# Altium PCB AI_Pyramid_PCB_HDMI_V0.3_20251031.PcbDoc (part 1 of 2)
Units mil, origin at the board's own origin, x right, y up, seen from the top; angles counter-clockwise.
Board outline 2598.43 x 2224.41 mil, 4 copper layers (Top Layer, Layer 2, Layer 1, Bottom Layer), stack 55.118 mil thick; 67 components, 74 nets, 345 pads, 587 vias.
Unrouted connection lines stored in the file: 22.
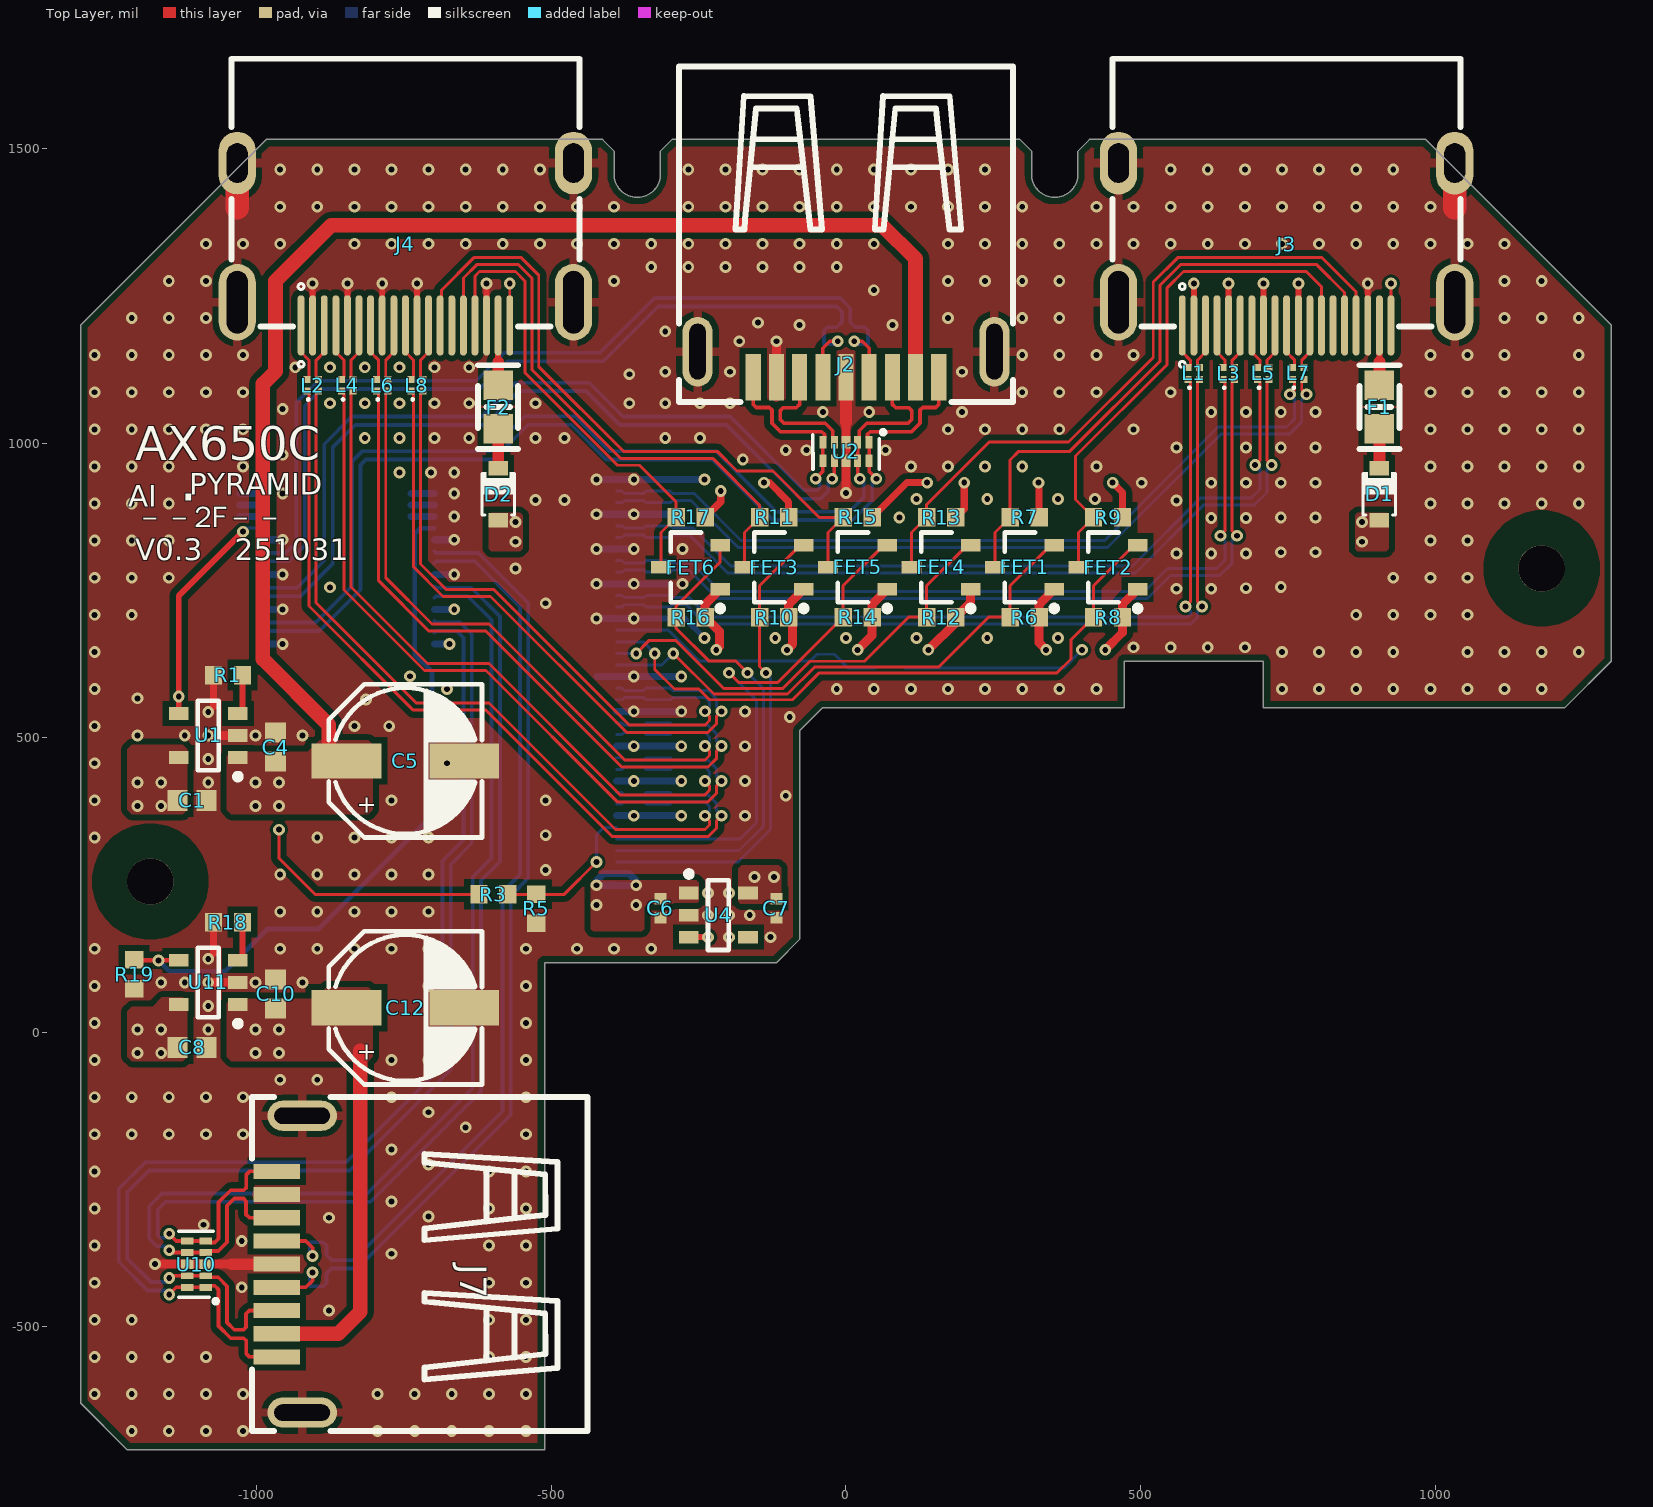
[diagram p0: Top Layer view]
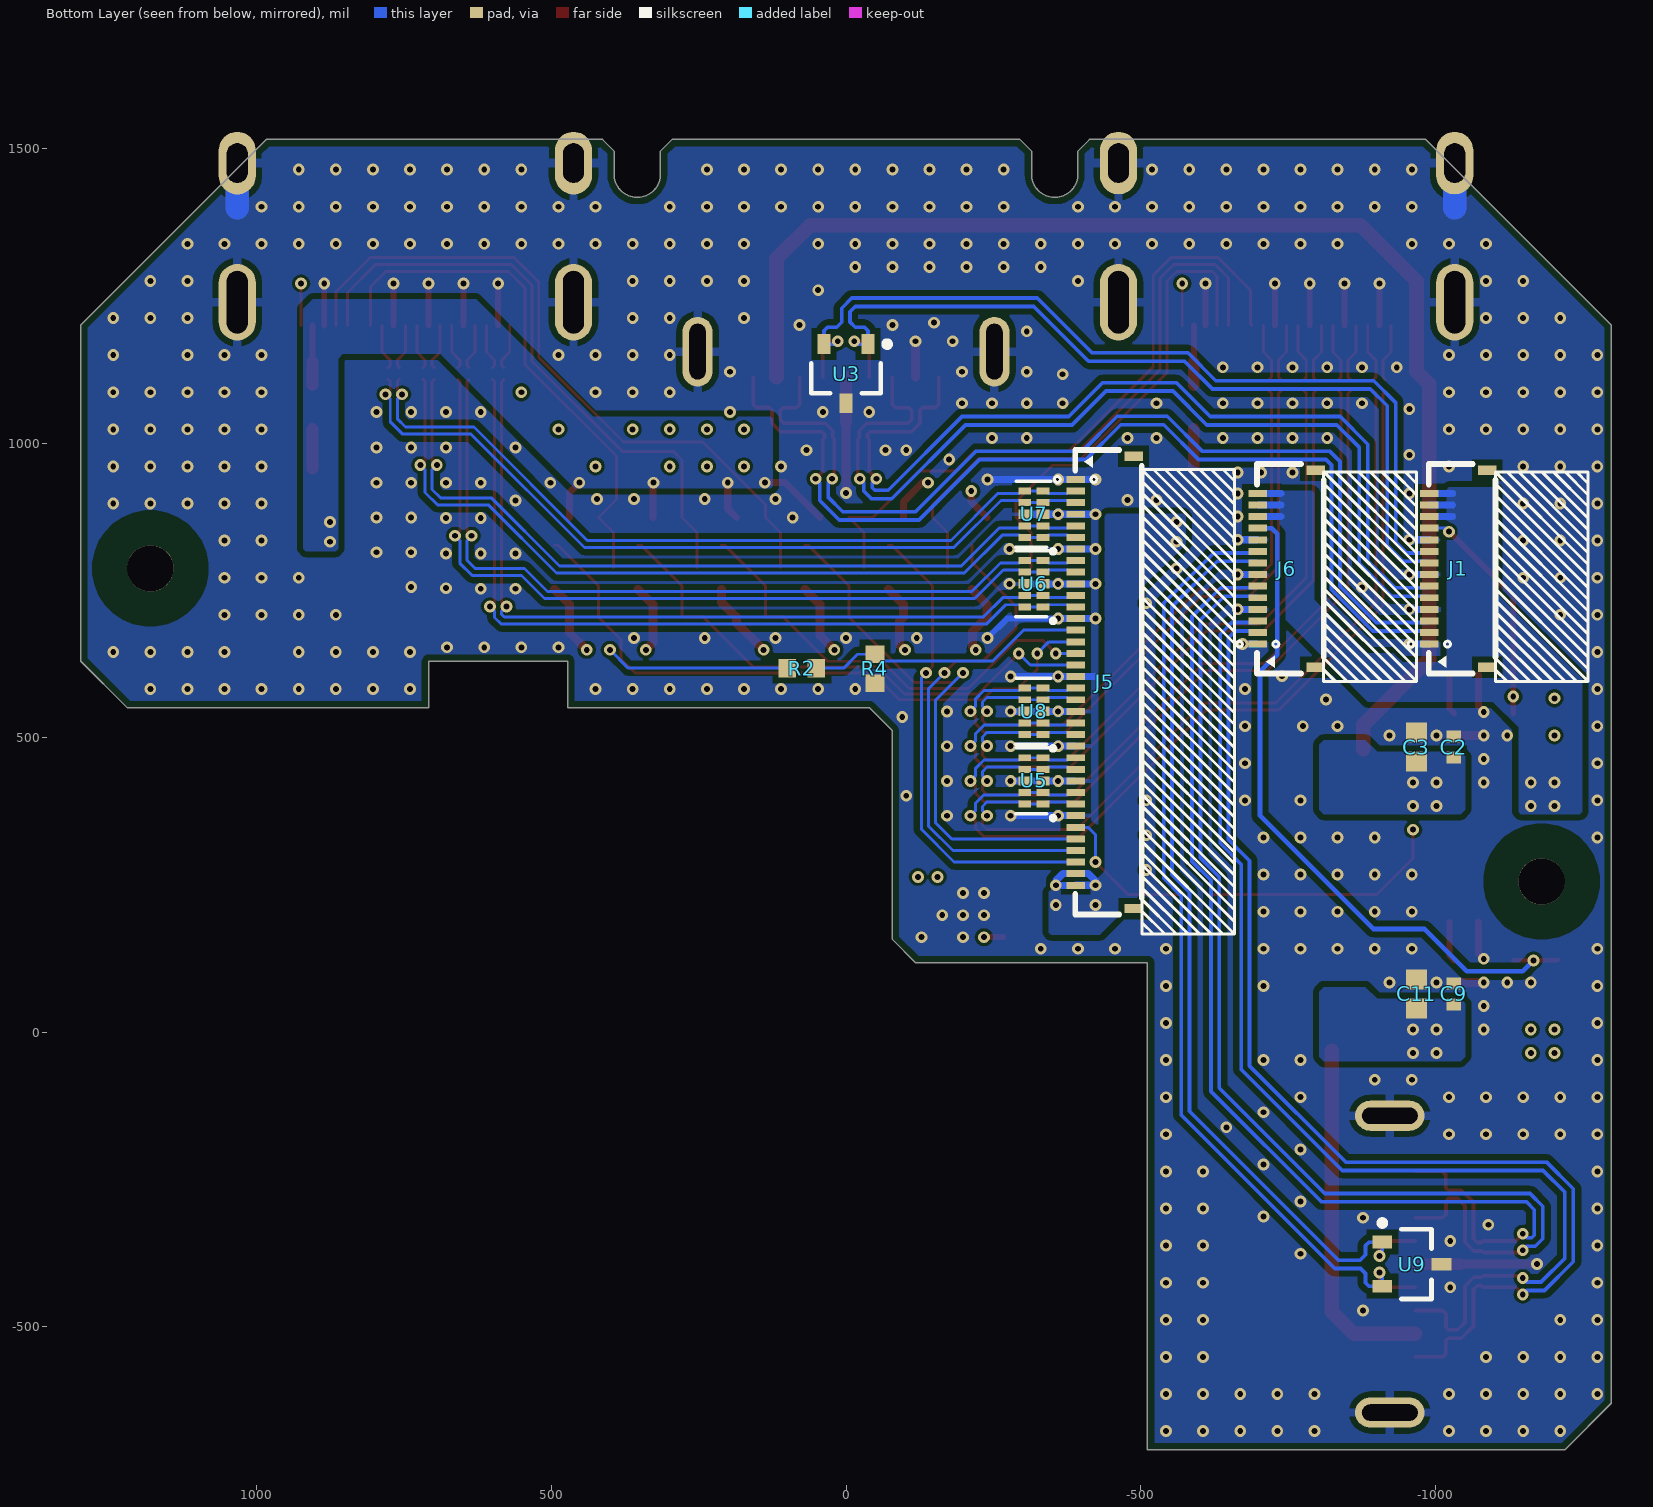
[diagram p1: Bottom Layer view, seen from below]
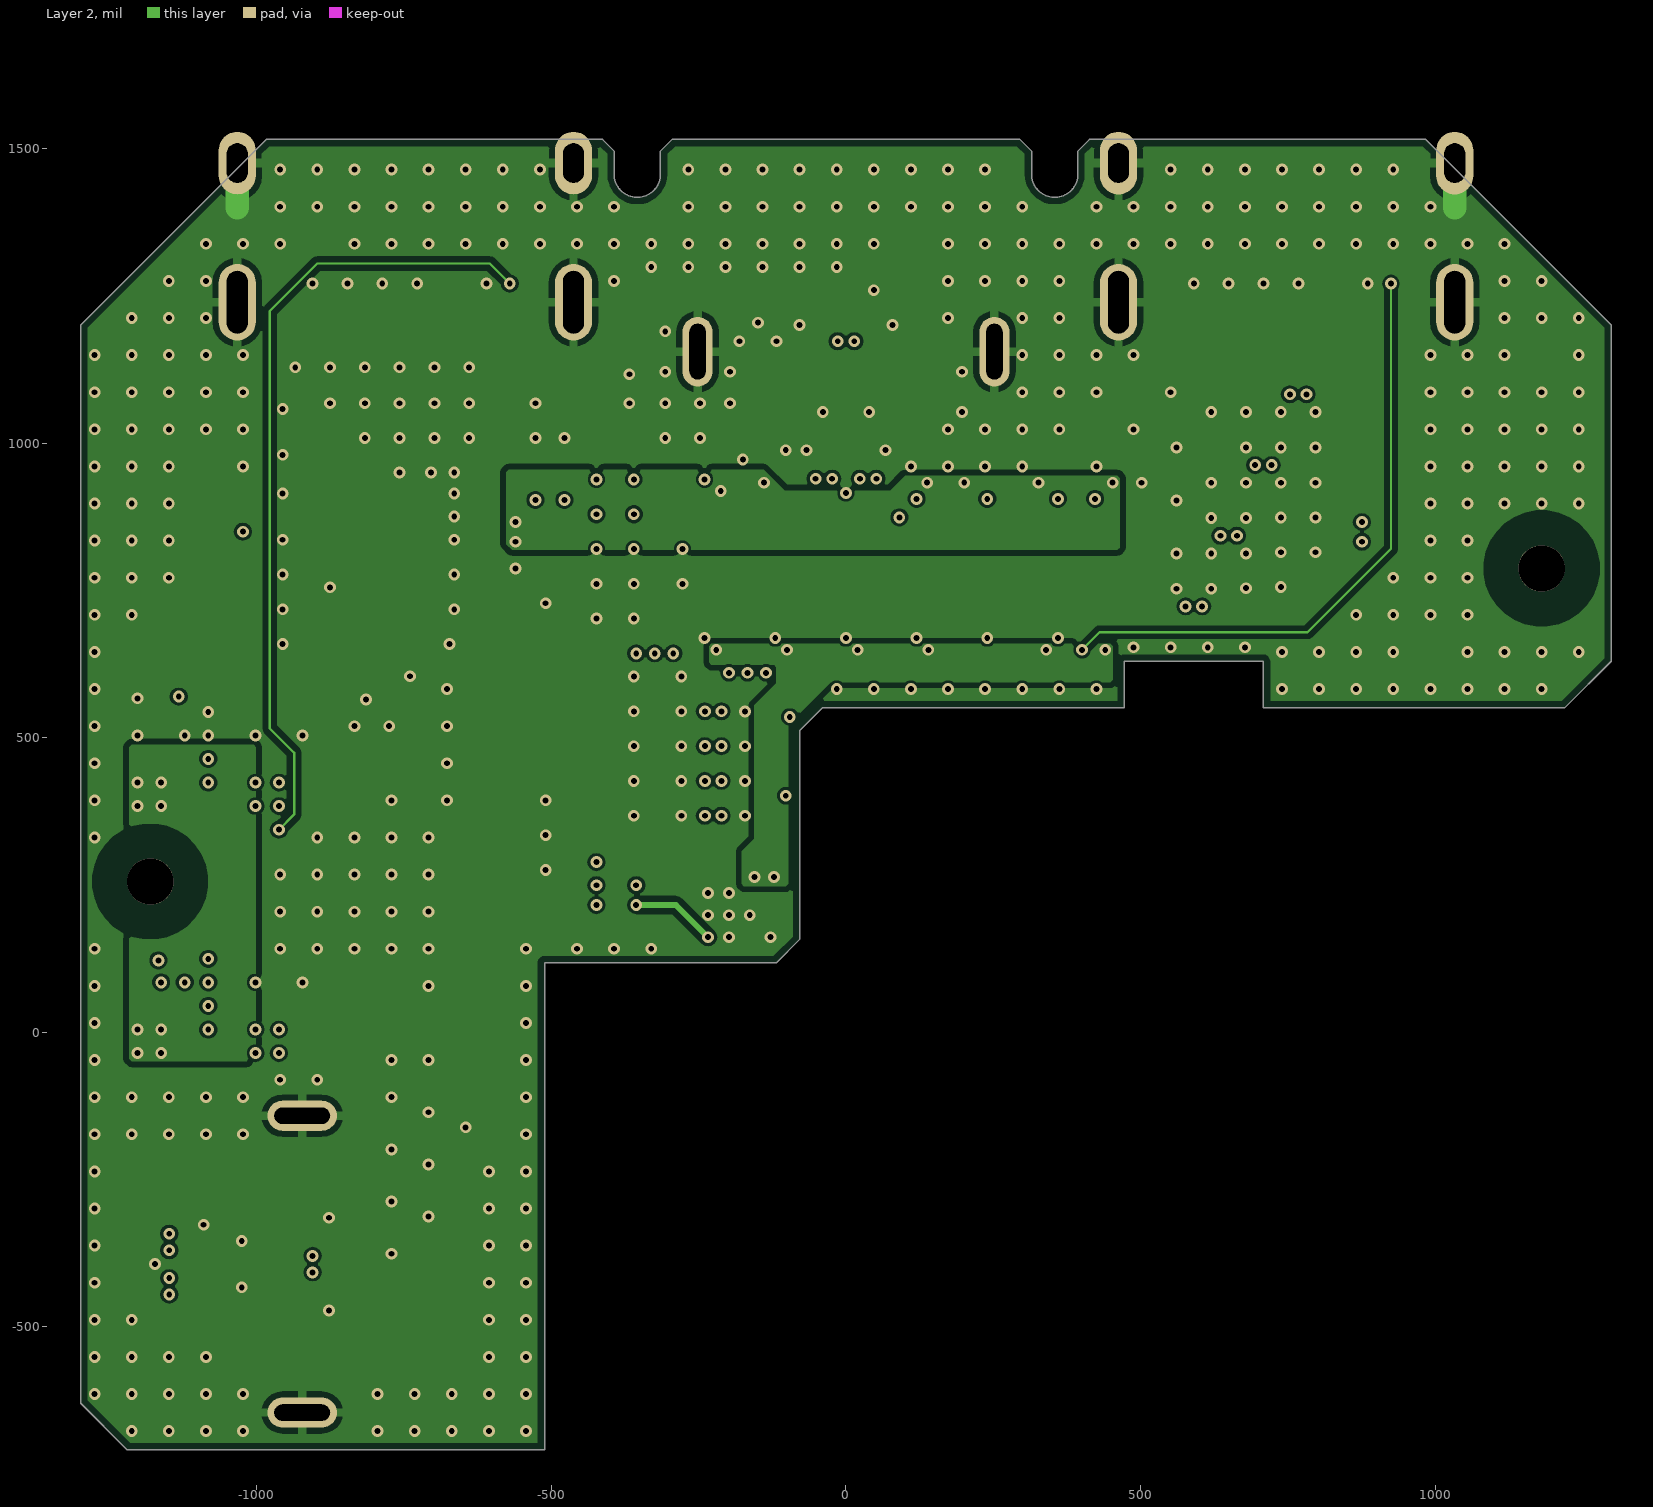
[diagram p2: Layer 2]
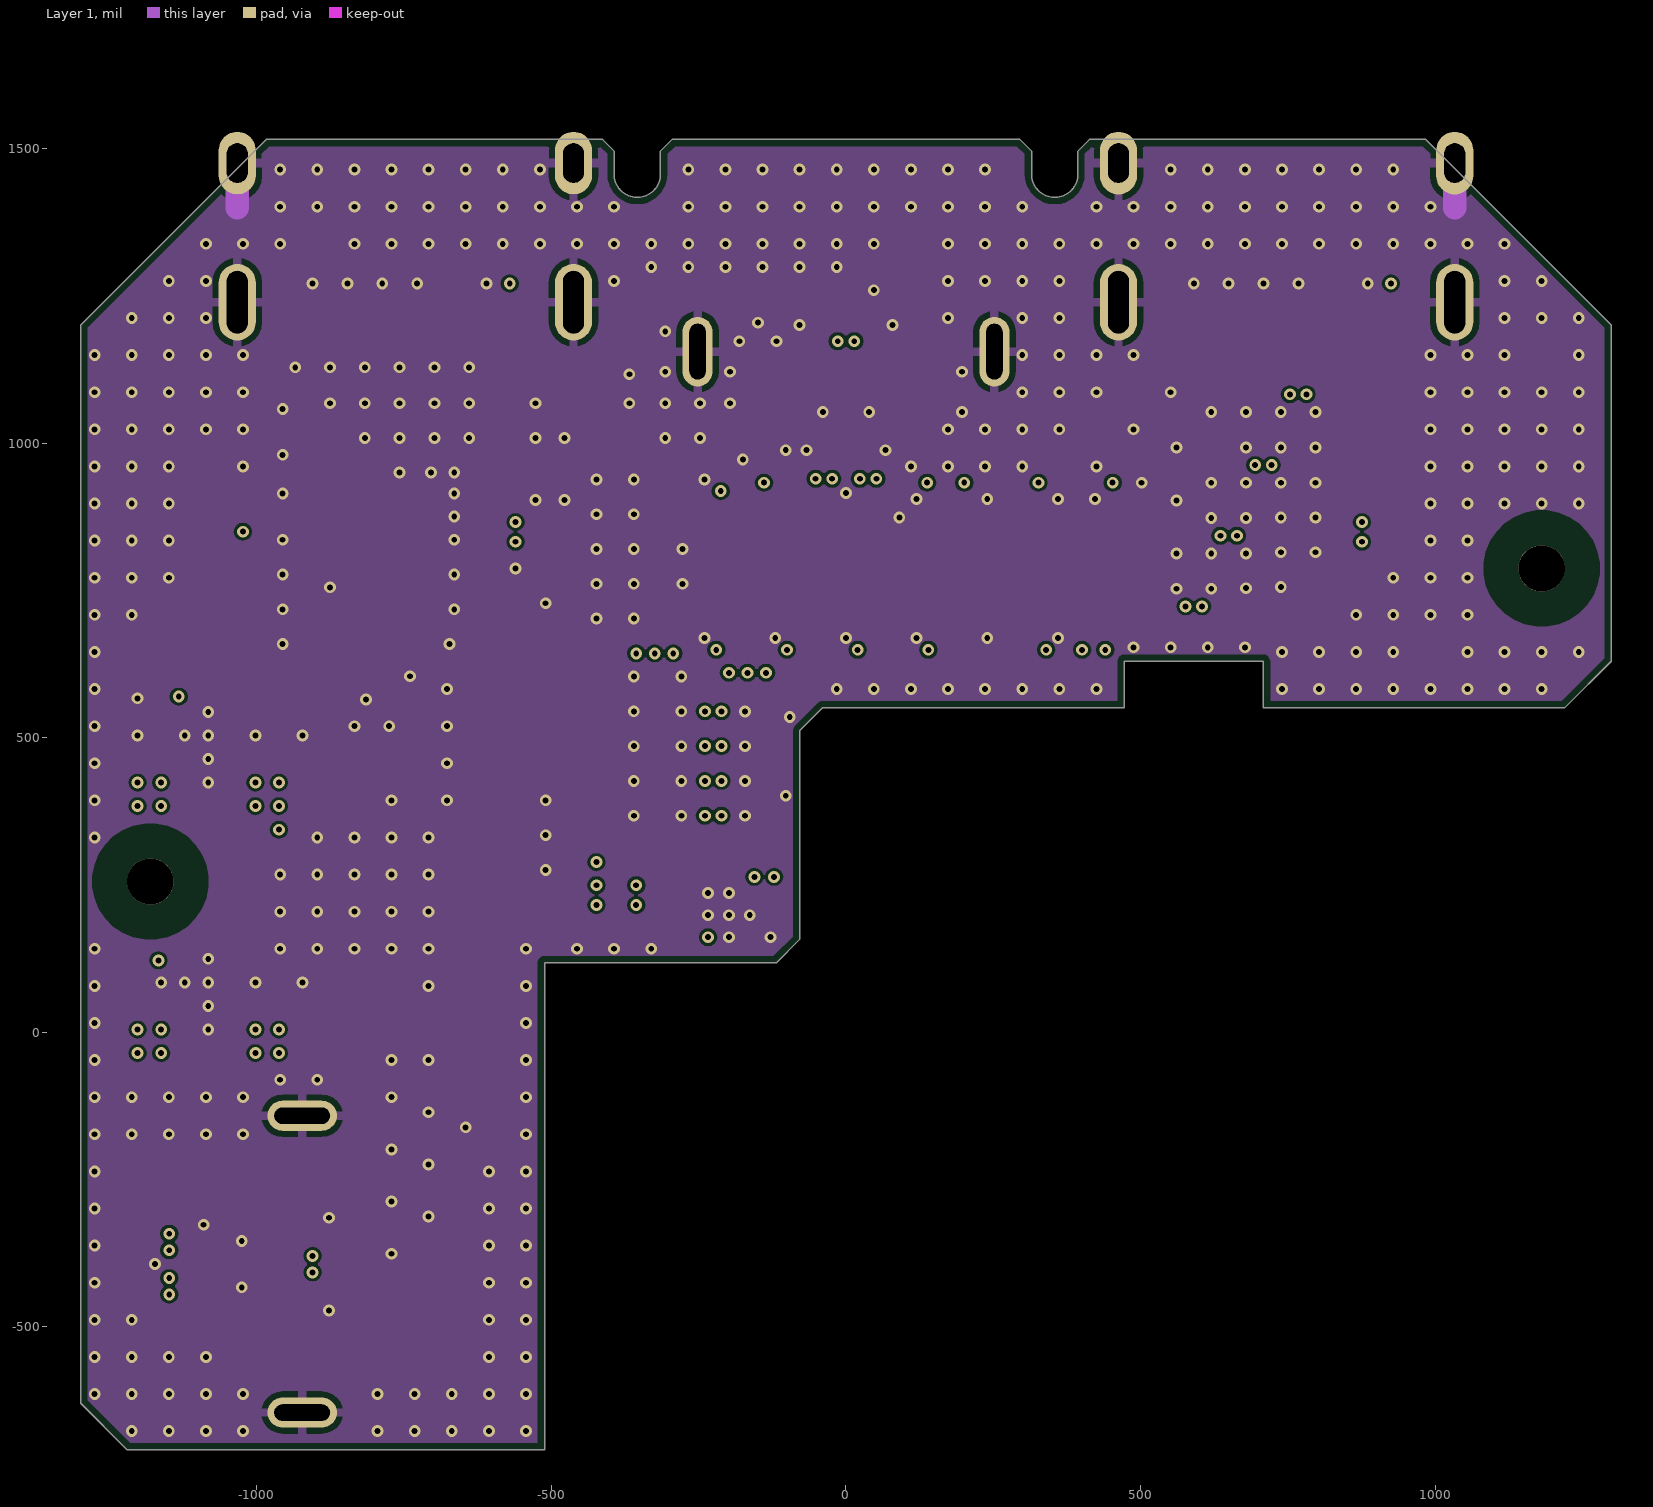
[diagram p3: Layer 1]
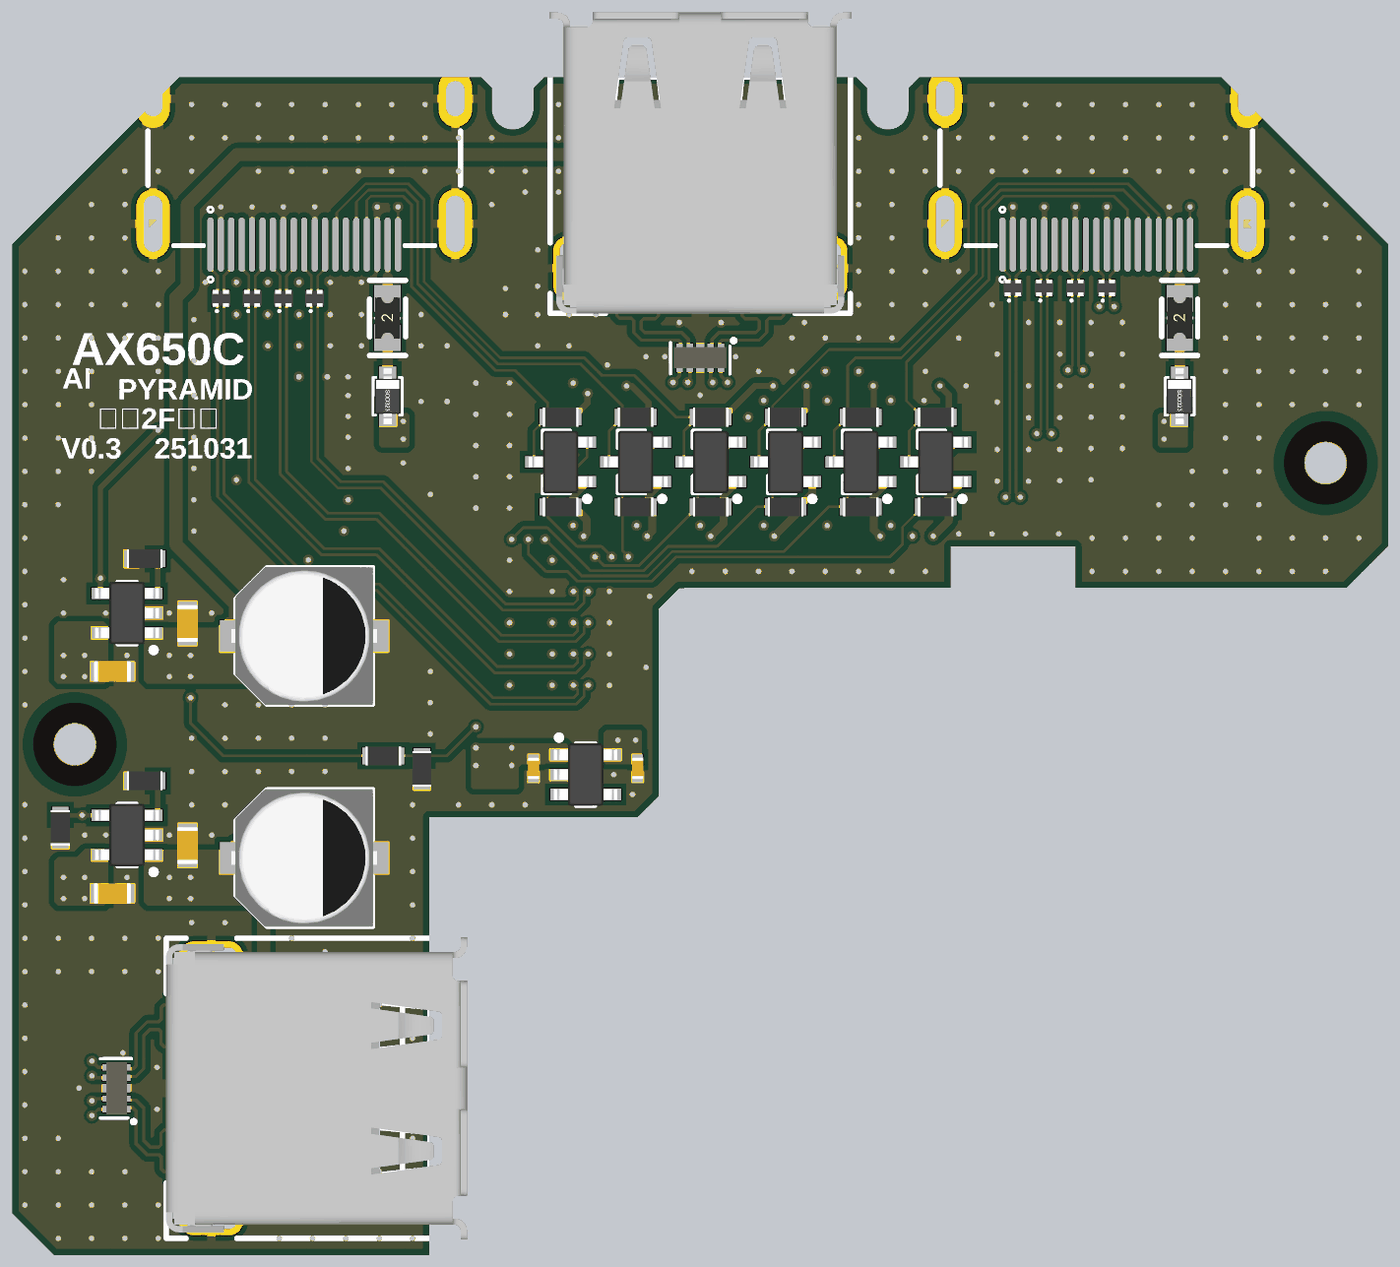
[diagram p5: 3D render of the assembled board from above, using the file's embedded part models]
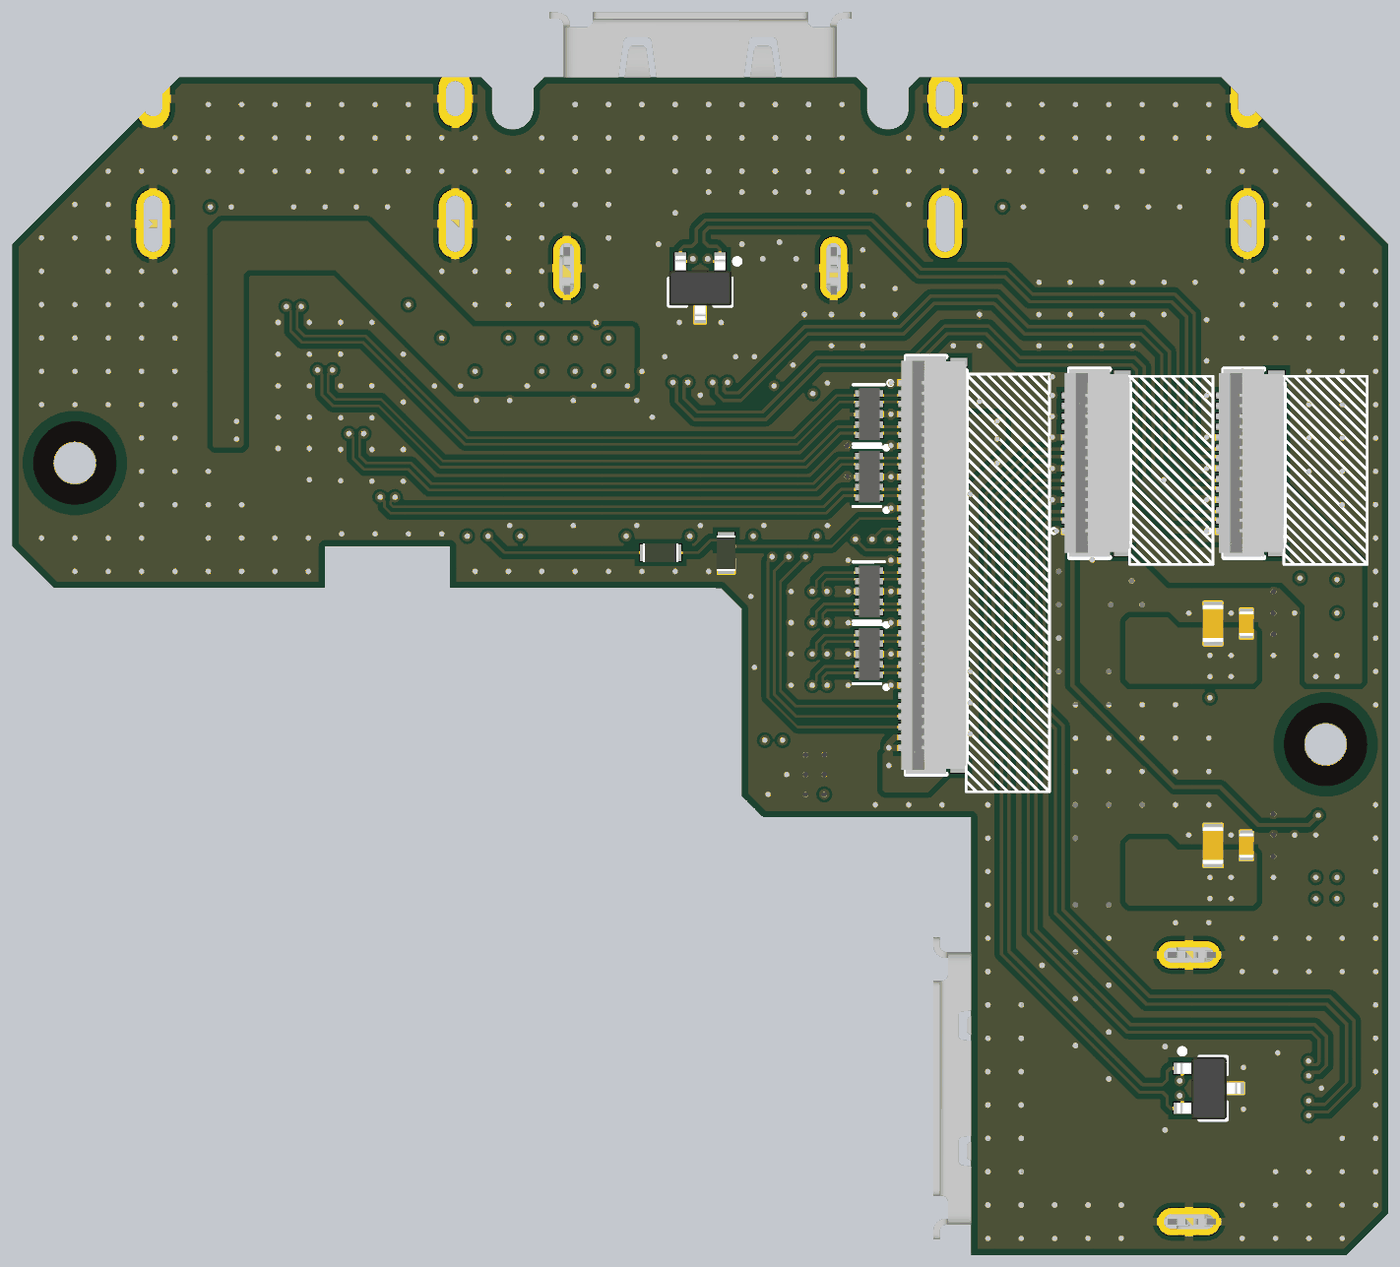
[diagram p6: 3D render of the assembled board from below, using the file's embedded part models]

## Layer stack, top to bottom
Top Solder: solder mask 3.937, Solder Resist, Dk 3.5
Top Layer: signal copper 3.937
Dielectric 1: core 3.937, PP-006, Dk 4.2
Layer 2: signal copper 3.937
Dielectric 2: prepreg 31.4961, PP-006, Dk 4.1
Layer 1: signal copper 3.937
Dielectric 3: core 3.937, PP-006, Dk 4.2
Bottom Layer: signal copper 3.937
Bottom Solder: solder mask 3.937, Solder Resist, Dk 3.5

## Board outline
-1299.21,-629.92 -1299.21,1200.79 -984.25,1515.75 -413.39,1515.75 -393.7,1496.06 -393.7,1456.69 ccw(c-354.33,1456.69) -314.96,1456.69 -314.96,1496.06 -295.28,1515.75 295.28,1515.75 314.96,1496.06 314.96,1456.69 ccw(c354.33,1456.69) 393.7,1456.69 393.7,1496.06 413.39,1515.75 984.25,1515.75 1299.21,1200.79 1299.21,629.92 1220.47,551.18 708.66,551.18 708.66,629.92 472.44,629.92 472.44,551.18 -39.37,551.18 -78.74,511.81 -78.74,157.48 -118.11,118.11 -511.81,118.11 -511.81,-708.66 -1220.47,-708.66
